# Altium PCB ToucanEyePCB.PcbDoc (part 2 of 5) (continued)
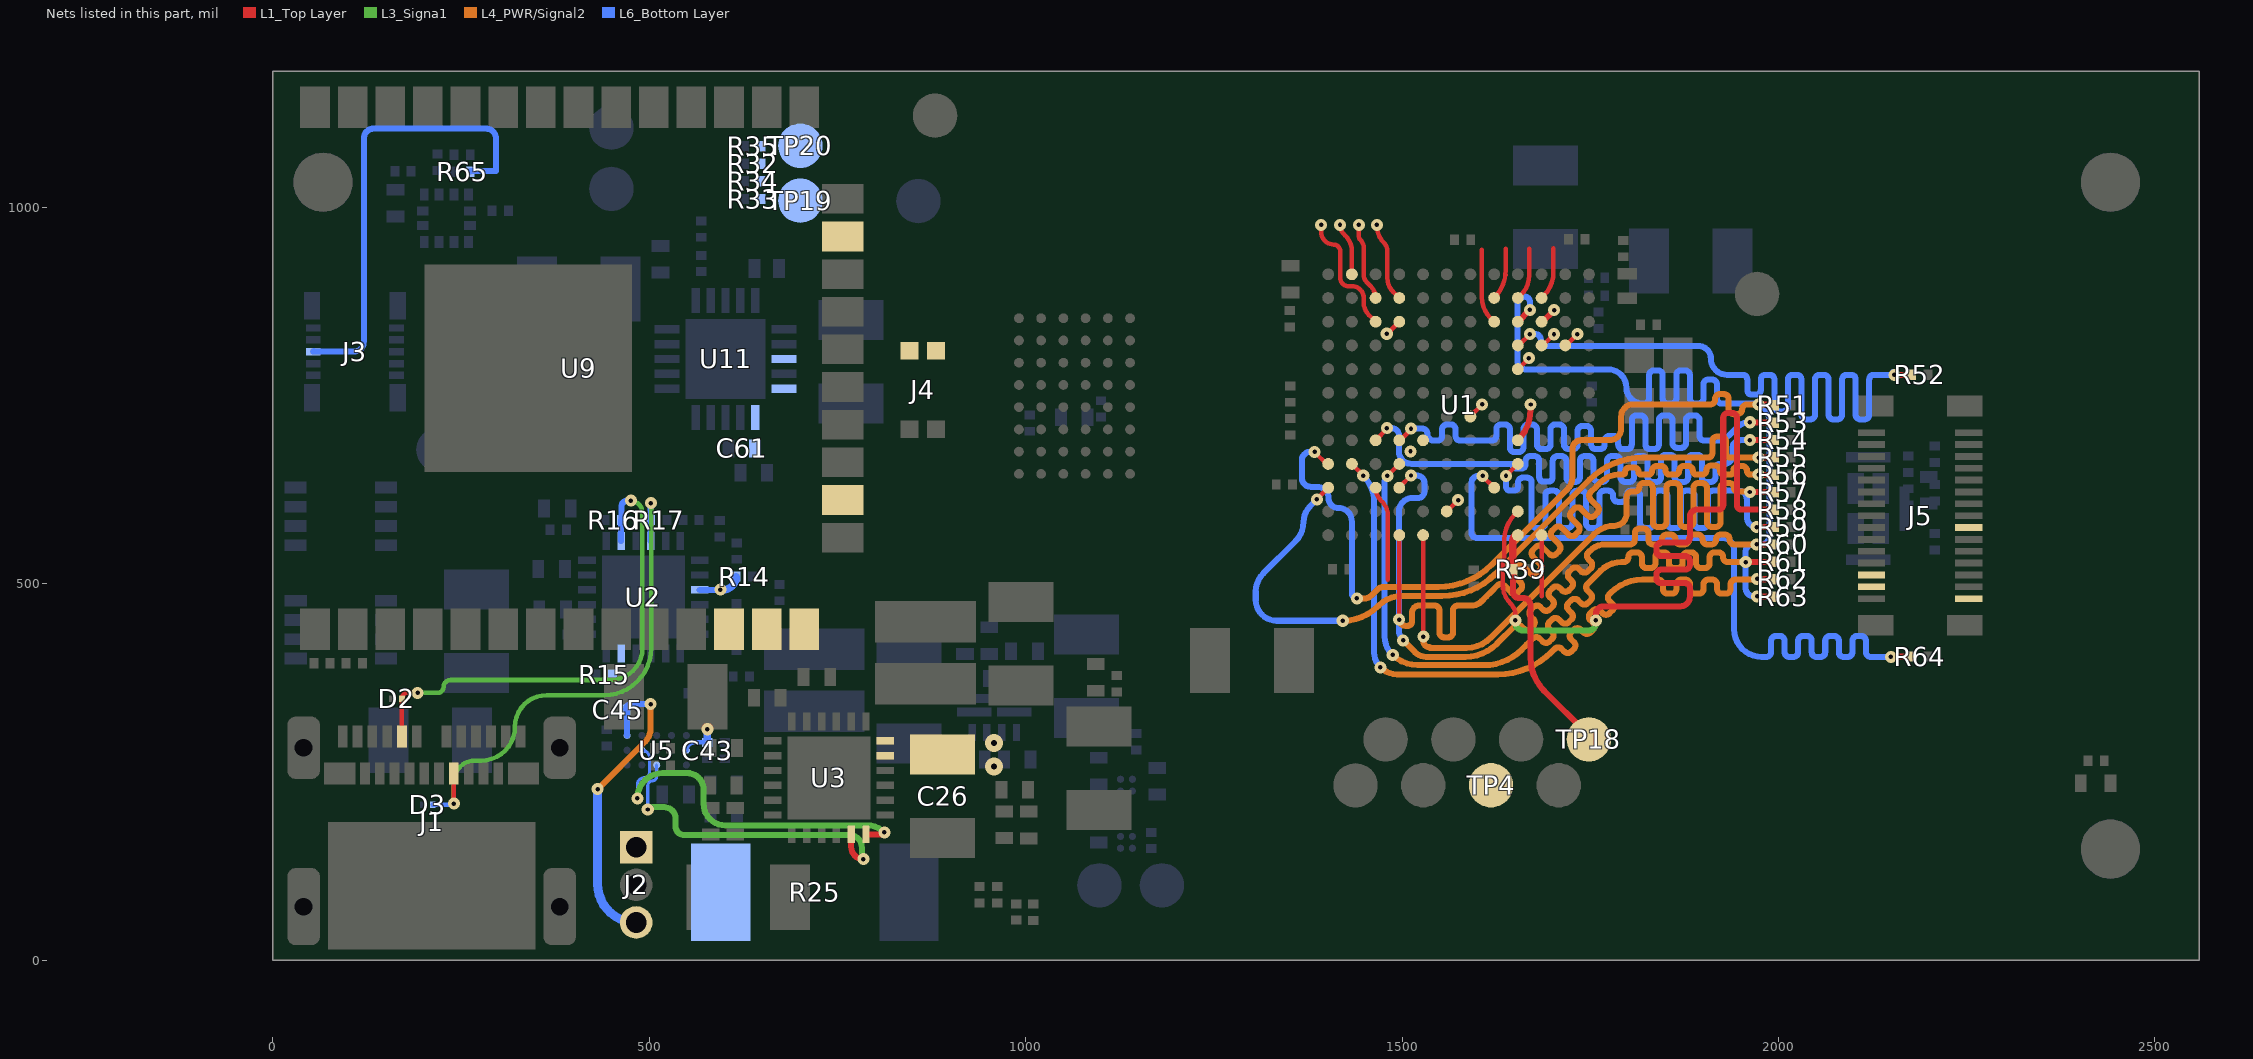
[diagram p6: the nets of this part, all layers, seen from the top]
## Part data (continued)
U11: "IC AMP AUDIO PWR 1.5W D 20QFN", Case/Package="VQFN EP", Dual Supply Voltage=5V, Manufacturer="Texas Instruments", Max Dual Supply Voltage=5.5V, Max Operating Temperature=85°C, Max Output Power=1.5W, Max Power Dissipation=2.5W, Min Operating Temperature=-40°C, Package Quantity=1, Power Supply Rejection Ratio (PSRR)=-91dB, Supplier Part Number 1=595-TPA2014D1RGPT, Voltage Gain=20dB, *PCBChecked=1, *SCHChecked=1, Common Mode Rejection Ratio=75dB, ComponentLink1Description=https://datasheet.ciiva.com/26117/slas559a-26117109.pdf, ComponentLink1URL=https://datasheet.ciiva.com/26117/slas559a-26117109.pdf, ComponentLink2Description=https://datasheet.ciiva.com/15131/getdatasheetpartid-48210-15131592.pdf, ComponentLink2URL=https://datasheet.ciiva.com/15131/getdatasheetpartid-48210-15131592.pdf, ComponentLink3Description=https://datasheet.ciiva.com/2969/tpa2014d1-2969824.pdf, ComponentLink3URL=https://datasheet.ciiva.com/2969/tpa2014d1-2969824.pdf, ComponentLink4Description=https://datasheet.ciiva.com/1789/tpa2014d1-1789239.pdf, ComponentLink4URL=https://datasheet.ciiva.com/1789/tpa2014d1-1789239.pdf, ComponentLink5Description=https://datasheet.ciiva.com/1789/tpa2014d1-1789237.pdf, ComponentLink5URL=https://datasheet.ciiva.com/1789/tpa2014d1-1789237.pdf, ComponentLink6Description=https://datasheet.ciiva.com/2967/tpa2014d1-2967858.pdf, ComponentLink6URL=https://datasheet.ciiva.com/2967/tpa2014d1-2967858.pdf, ComponentLink7Description=https://datasheet.ciiva.com/1789/tpa2014d1-1789238.pdf, ComponentLink7URL=https://datasheet.ciiva.com/1789/tpa2014d1-1789238.pdf, ComponentLink8Description=https://datasheet.ciiva.com/48706/001071077-da-01-en-ic-amp-audio-pw-tpa2014d1rgpt-qfn-20-tid-48706871.pdf, ComponentLink8URL=https://datasheet.ciiva.com/48706/001071077-da-01-en-ic-amp-audio-pw-tpa2014d1rgpt-qfn-20-tid-48706871.pdf, Gain=20dB, Lead Free="Lead Free", Manufacturer Part Number=TPA2014D1RGPT, Number of Pins=20, Output Power=1.5W, Packaging="Tape and Reel", Power Dissipation=2.5W, Pricing 1="1=2.27, 10=1.93, 50=1.93, 100=1.54, 1000=1.12, 10000=1.01 (USD)", Radiation Hardening=No, Stock 1=117, Supplier 1=Mouser, Supply Type=Dual, Weight=0.00163oz
U12: "LDO Voltage Regulators 200mA Lo IQ Lo-Noise LDO Reg", Dropout Voltage=250mV, Manufacturer="Texas Instruments", Max Input Voltage=6V, Max Operating Temperature=125°C, Max Power Dissipation=714mW, Min Current Limit=260mA, Min Input Voltage=2V, Min Operating Temperature=-40°C, Output Current=200mA, Output Voltage=1.5V, Package Quantity=250, Power Supply Rejection Ratio (PSRR)=80dB, Quiescent Current=30uA, Supplier Part Number 1=595-TLV70515YFPT, *PCBChecked=1, *SCHChecked=1, ComponentLink1Description=http://www.ti.com/lit/gpn/tlv705, ComponentLink1URL=http://www.ti.com/lit/gpn/tlv705, ComponentLink2Description=http://www.ti.com/lit/ds/symlink/tlv705.pdf, ComponentLink2URL=http://www.ti.com/lit/ds/symlink/tlv705.pdf, Lead Free="Lead Free", Manufacturer Part Number=TLV70515YFPT, Mount="Surface Mount", Number of Outputs=1, Number of Pins=4, Number of Regulators=1, Packaging="Tape and Reel", Pricing 1="1=0.62, 10=0.513, 50=0.513, 100=0.313, 1000=0.242, 10000=0.192 (USD)", Stock 1=250, Supplier 1=Mouser
U13: Manufacturer=STMicroelectronics, Supplier Part Number 1=511-LIS2DW12TR, *PCBChecked=1, *SCHChecked=1, Manufacturer Part Number=LIS2DW12TR, Stock 1=0, Supplier 1=Mouser
X1: "32.768kHz ±20ppm Crystal 9pF 90 kOhm -40°C ~ 85°C  Surface Mount 2-SMD", Case/Package=SMD/SMT, ESR (Equivalent Series Resistance)=90kR, Frequency=32.768kHz, Frequency Tolerance=20ppm, Load Capacitance=9pF, Manufacturer=Abracon, Max Operating Temperature=85°C, Min Operating Temperature=-40°C, Package Quantity=3000, Supplier Part Number 1=815-ABS05-32.768K9T, *PCBChecked=1, *SCHChecked=1, ComponentLink1Description=https://datasheet.ciiva.com/12387/abs05-25797-12387306.pdf, ComponentLink1URL=https://datasheet.ciiva.com/12387/abs05-25797-12387306.pdf, ComponentLink2Description=https://datasheet.ciiva.com/48668/abs05-48668569.pdf, ComponentLink2URL=https://datasheet.ciiva.com/48668/abs05-48668569.pdf, ComponentLink3Description=https://datasheet.ciiva.com/16411/abs05-16411147.pdf, ComponentLink3URL=https://datasheet.ciiva.com/16411/abs05-16411147.pdf, ComponentLink4Description=https://datasheet.ciiva.com/6728/abs05-6728951.pdf, ComponentLink4URL=https://datasheet.ciiva.com/6728/abs05-6728951.pdf, ComponentLink5Description=https://datasheet.ciiva.com/6728/abs05-6728952.pdf, ComponentLink5URL=https://datasheet.ciiva.com/6728/abs05-6728952.pdf, ComponentLink6Description=https://datasheet.ciiva.com/6728/abs05-6728953.pdf, ComponentLink6URL=https://datasheet.ciiva.com/6728/abs05-6728953.pdf, Depth=1mm, Height=0.02inch, Lead Free="Lead Free", Length=1.6mm, Manufacturer Part Number=ABS05-32.768KHZ-9-T, Mount="Surface Mount", Number of Pins=2, Packaging="Tape and Reel", Pricing 1="1=1.6, 10=1.54, 50=1.51, 100=1.29, 1000=1.01, 10000=0.885 (USD)", Radiation Hardening=No, REACH SVHC="No SVHC", Series Resistance=90kR, Stock 1=11805, Supplier 1=Mouser, Termination=SMD/SMT, Tolerance=20ppm, Width=0.039inch
X2: Freq=16MHz, Manufacturer="Kyocera AVX", Supplier Part Number 1=581-CX2520DB16F0FDFC, *PCBChecked=1, *SCHChecked=1, Manufacturer Part Number=CX2520DB16000F0FDFC1, Stock 1=0, Supplier 1=Mouser
FD1 FD2 FD3 FD4 FD5 FD6: PCBChecked=1, SCHChecked=1
J2 TP1 TP2 TP4 TP5 TP6 TP7 TP8 TP10 TP11 TP12 TP13 TP14 TP15 TP16 TP17 TP18 TP19 TP20 TP21: *PCBChecked=1, *SCHChecked=1
U1: *SCHChecked=1, Supplier=MASTERS, Symbol=STM32L4R9ZIJ6, Symbol supplier=STM32L4R9ZIJ6
U9: *PCBChecked=1, *SCHChecked=1, Name=WROOM-32

## Via types
v1: diameter 16, hole 5.91, L5_GND to L6_Bottom Layer, tented both sides, 98 vias
v2: diameter 16, hole 5.91, L1_Top Layer to L2_GND, tented both sides, 93 vias
v3: diameter 16, hole 5.91, L1_Top Layer to L6_Bottom Layer, tented both sides, 72 vias
v4: diameter 16, hole 5.91, L1_Top Layer to L3_Signa1, tented both sides, 60 vias
v5: diameter 16, hole 5.91, L1_Top Layer to L4_PWR/Signal2, tented both sides, 48 vias
v6: diameter 16, hole 5.91, L4_PWR/Signal2 to L6_Bottom Layer, tented both sides, 25 vias
v7: diameter 16, hole 5.91, L3_Signa1 to L6_Bottom Layer, tented both sides, 16 vias
v8: diameter 16, hole 5.91, L2_GND to L6_Bottom Layer, tented both sides, 16 vias
v9: diameter 23.86, hole 7.87, L4_PWR/Signal2 to L6_Bottom Layer, tented both sides, 13 vias
v10: diameter 11.81, hole 11.81, L1_Top Layer to L6_Bottom Layer, 9 vias
v11: diameter 23.86, hole 7.87, L3_Signa1 to L6_Bottom Layer, tented both sides, 7 vias
v12: diameter 23.86, hole 7.87, L1_Top Layer to L3_Signa1, tented both sides, 6 vias
v13: diameter 23.86, hole 7.87, L1_Top Layer to L4_PWR/Signal2, tented both sides, 6 vias
v14: diameter 19.68, hole 7.87, L1_Top Layer to L6_Bottom Layer, 5 vias
v15: diameter 23.86, hole 7.87, L1_Top Layer to L6_Bottom Layer, tented both sides, 4 vias
v16: diameter 16, hole 5.91, L1_Top Layer to L3_Signa1, tented top, 1 vias

## Nets (pads, with @x,y where several pads share a name; then routed paths per layer and width w, separated by ;. In a path a pad name is that pad's centre, name@x,y a point inside that pad or via, vN(x,y) a via of type N, cw(c..) or ccw(c..) an arc to the next point about the centre after c; other vN are vias at no path point)
A_B_SIDE_USB_C: R15.1 U1.F6 U2.17 | length 22.5
  L1_Top Layer w6: U1.F6@1590.89,722.25 cw(c1592.33,722.25) 1591.31,723.26 v3(1606.4,738.35)
ALERT_USB_C: R14.1 U1.E8 U2.9 | length 61.6
  L1_Top Layer w6: U1.E8@1527.9,690.75 ccw(c1527.9,694.37) U1.E8@1530.46,691.81
  L6_Bottom Layer w8: U2.9@567.1,492.14 594.6,492.14 v7(594.6,492.4)
  L6_Bottom Layer w10: v7@594.6,492.14 598.02,492.14 ccw(c598.02,509.7) R14.1@615.57,509.7
  other v3: 1511.3,675.9
AMP_GAIN: U1.J3 U11.3 | length 22.5
  L1_Top Layer w6: U1.J3@1685.38,816.73 ccw(c1685.38,820.85) 1688.28,817.93 v3(1701.9,831.55)
AMP_S\D\b\: U1.K5 U11.6 | length 100.9
  L1_Top Layer w6: 1606,944.05 1606,880.75 ccw(c1644.95,880.75) 1617.41,853.21 U1.K5@1622.39,848.23
AMP_S\D\d\: U1.L5 U11.5 | length 69.5
  L1_Top Layer w6: U1.L5@1622.39,879.73 ccw(c1584.94,917.17) 1637.9,917.17 1637.9,945.05
BAT+: C26.1 C43.2 J2.1 U3.11 U3.12 U5.E2 | length 51.7
  L6_Bottom Layer w6: U5.E2@549.37,278.67 U5.E2@549.37,279.02 cw(c559.71,279.02) 559.71,289.35 C43.2@577.3,289.35
  L6_Bottom Layer w10: C43.2@577.3,289.35 v6(577.3,306.9)
  other v13: 957.9,257.2 957.9,288.5
BAT-: C45.1 J2.3 R25.2 U5.A1 | length 436.6
  L4_PWR/Signal2 w8: v6(431.5,227.4) 431.6,227.4 494.8,290.6 ccw(c477.9,307.5) 501.8,307.5 v6(501.8,340.3)
  L6_Bottom Layer w8: J2.3@465.11,50.2 J2.3@482.7,50.2 ; U5.A1@470.63,298.7 470.63,331.4 C45.1@469.23,332.8 cw(c476.73,332.8) 476.73,340.3 v6(501.8,340.3)
  L6_Bottom Layer w12: v6(431.5,227.4) 431.5,101.4 ccw(c482.7,101.4) J2.3@482.7,50.2
BOOT0: R39.2 TP18.1 U1.A4 | length 319.9
  L1_Top Layer w8: R39.2@1647.17,519.55 1647.17,489.63 ccw(c1655.5,489.63) 1655.5,481.3 1661.1,481.3 cw(c1661.1,471.9) 1670.5,471.9 1670.5,402.55 ccw(c1734.35,402.55) 1689.2,357.4 1744.63,301.97 cw(c1736,293.34) TP18.1@1748.2,293.34
  L1_Top Layer w9.5: R39.2@1647.17,519.55 1647.17,558.05 cw(c1653.88,558.05) U1.A4@1653.88,564.77
BSCL: U3.6 U5.B2 | length 501.3
  L1_Top Layer w8: U3.6@788.02,167.38 806.57,167.38 ccw(c806.57,175.63) v4(812.4,169.8)
  L3_Signa1 w8: v7(484.3,215.1) cw(c517.9,215.1) 517.9,248.7 550.5,248.7 cw(c550.5,227) 572.2,227 572.2,208.1 ccw(c601.1,208.1) 601.1,179.2 789.71,179.2 cw(c789.71,147.11) v4(812.4,169.8)
  L6_Bottom Layer w4: v7(484.3,215.1) 484.3,233.3 cw(c493.6,233.3) 493.6,242.6 ccw(c493.6,249.28) 500.28,249.28 500.28,269.05 ccw(c490.32,269.05) U5.B2@490.32,279.02
BSDA: U3.5 U5.C3 | length 445.9
  L1_Top Layer w8: U3.5@768.33,167.38 768.33,150.47 ccw(c784.5,150.47) v4(784.5,134.3)
  L3_Signa1 w8: v7(498.1,200.3) cw(c501.1,200.3) 501.1,203.3 520.3,203.3 cw(c520.3,188.6) 535,188.6 535,178.2 ccw(c546.8,178.2) 546.8,166.4 766,166.4 cw(c766,149.9) 782.5,149.9 782.5,136.3 ccw(c784.5,136.3) v4(784.5,134.3)
  L6_Bottom Layer w4: v7(498.1,200.3) 498.1,232.1 cw(c504.4,232.1) 504.4,238.4 ccw(c504.4,244) 510,244 U5.C3@510,259.33
BT_CS: U1.A3 U9.23 | length 81.5
  L1_Top Layer w6: 1685.38,483.23 U1.A3@1685.38,564.77
BT_IRQ: U1.E4 U9.12 | length 52.2
  L1_Top Layer w8: U1.E4@1653.88,690.93 U1.E4@1653.88,690.75 ccw(c1613.05,731.59) 1670.8,731.59 v3(1670.8,738.25)
BT_MISO: U1.H4 U9.14 | length 20.8
  L1_Top Layer w6: U1.H4@1653.88,785.24 1653.99,785.24 v3(1668.6,799.85)
BT_MOSI: U1.J2 U9.16 | length 22.1
  L1_Top Layer w6: U1.J2@1716.88,816.73 ccw(c1716.88,819.17) 1718.59,817.44 v3(1732.9,831.75)
BT_SCK: U1.M11 U9.13 | length 70.1
  L1_Top Layer w6: v3(1417.6,976.75) ccw(c1434.5,976.75) 1422.54,964.8 1424.8,962.55 cw(c1404.02,941.76) 1433.41,941.76 U1.M11@1433.41,911.22
BT_UART_RX: R32.1 R35.1 TP20.1 U1.B7 | length 21.4
  L1_Top Layer w6: U1.B7@1559.4,596.26 1559.71,596.26 1574.4,610.95 v3(1574.4,611.25)
BT_UART_TX: R33.1 R34.1 TP19.1 U1.L3 | length 70.5
  L1_Top Layer w6: U1.L3@1685.38,879.73 1687.62,881.97 ccw(c1654.84,914.75) 1701.2,914.75 1701.2,945.65
BUTTON: J3.5 J4.1 R65.2 U1.K3 | length 638.4
  L1_Top Layer w6: U1.K3@1684.25,848.7 ccw(c1685.38,849.82) U1.K3@1685.38,848.23
  L1_Top Layer w8: U1.K3@1685.38,848.23 1686.63,848.23 v3(1702,863.6)
  L6_Bottom Layer w8: J3.5@54.59,809.2 ccw(c54.59,808.4) J3.5@53.78,808.4 107.7,808.4 ccw(c107.7,821.7) 121,821.7 121,1091.6 cw(c134.1,1091.6) 134.1,1104.7 283.3,1104.7 cw(c283.3,1091.6) 296.4,1091.6 296.4,1048.3 263.18,1048.3 ccw(c263.18,1047.45) R65.2@262.33,1047.45
CAM_D0: R51.1 U1.D12 | length 1013.1
  L1_Top Layer w6: v3(1383.8,675.45) 1383.8,675.25 1399.8,659.25 U1.D12@1401.92,659.25 ; R51.1@1994.02,738.3 cw(c1994.02,737.35) R51.1@1994.97,737.35
  L1_Top Layer w8: v5(1973.7,738.3) R51.1@1994.02,738.3
  L4_PWR/Signal2 w8: v6(1440,480.6) 1449.98,480.6 ccw(c1449.98,493.69) 1459.22,484.42 ; 1459.23,484.43 1467.54,492.74 cw(c1475.41,484.86) 1475.41,496 1548.28,496 ccw(c1548.28,596) 1618.99,525.29 1720.2,626.5 ccw(c1705.47,641.23) 1726.3,641.23 1726.3,679.2 cw(c1737.9,679.2) 1737.9,690.8 1775.7,690.8 ccw(c1775.7,706.2) 1791.1,706.2 1791.1,722.5 cw(c1806.9,722.5) 1806.9,738.3 1900.9,738.3 1909.6,738.3 ccw(c1909.6,744.6) 1915.9,744.6 1915.9,745.65 cw(c1922.2,745.65) 1922.2,751.95 1927.6,751.95 cw(c1927.6,745.65) 1933.9,745.65 1933.9,738.3 1933.9,732 ccw(c1940.2,732) 1940.2,725.7 1945.6,725.7 ccw(c1945.6,732) 1951.9,732 cw(c1958.2,732) 1958.2,738.3 1960.9,738.3 v5(1973.7,738.3)
  L6_Bottom Layer w8: v3(1383.8,675.45) 1378.25,675.45 ccw(c1378.25,664.1) 1366.9,664.1 1366.9,640.8 ccw(c1378.8,640.8) 1378.8,628.9 1387.5,628.9 cw(c1387.5,614.1) 1402.3,614.1 ccw(c1415.6,614.1) 1415.6,600.8 cw(c1415.6,583) 1433.4,583 1433.4,487.2 ccw(c1440,487.2) v6(1440,480.6)
CAM_D1: R53.1 U1.E9 | length 1011.4
  L1_Top Layer w6: U1.E9@1496.4,690.75 ccw(c1496.4,693.4) 1498.28,691.52 1512.1,705.35 1511.9,705.55 v3(1511.9,706.25)
  L1_Top Layer w8: v3@1962.6,714.7 1962.6,714.23 R53.1@1994.97,714.23
  L6_Bottom Layer w8: v3(1511.9,706.25) 1526.55,706.25 cw(c1526.55,699.1) 1533.7,699.1 ccw(c1542.6,699.1) 1542.6,690.2 1544.2,690.2 1546.9,690.2 ccw(c1546.9,696.5) 1553.2,696.5 1553.2,705.37 cw(c1559.5,705.37) 1559.5,711.67 1564.9,711.67 cw(c1564.9,705.37) 1571.2,705.37 1571.2,696.5 ccw(c1577.5,696.5) 1577.5,690.2 1589.2,690.2 1607.2,690.2 1618.9,690.2 ccw(c1618.9,696.5) 1625.2,696.5 1625.2,705.37 cw(c1631.5,705.37) 1631.5,711.67 1636.9,711.67 cw(c1636.9,705.37) 1643.2,705.37 1643.2,690.2 1643.2,681.38 ccw(c1649.5,681.38) 1649.5,675.08 1654.9,675.08 ccw(c1654.9,681.38) 1661.2,681.38 1661.2,690.2 1661.2,705.37 cw(c1667.5,705.37) 1667.5,711.67 1672.9,711.67 cw(c1672.9,705.37) 1679.2,705.37 1679.2,690.2 1679.2,685.23 ccw(c1685.5,685.23) 1685.5,678.93 1690.9,678.93 ccw(c1690.9,685.23) 1697.2,685.23 1697.2,690.2 1697.2,705.37 cw(c1703.5,705.37) 1703.5,711.67 1708.9,711.67 cw(c1708.9,705.37) 1715.2,705.37 1715.2,690.2 1715.2,685.23 ccw(c1721.5,685.23) 1721.5,678.93 1726.9,678.93 ccw(c1726.9,685.23) 1733.2,685.23 1733.2,690.2 1733.2,703.37 cw(c1739.5,703.37) 1739.5,709.67 1744.9,709.67 cw(c1744.9,703.37) 1751.2,703.37 1751.2,690.2 1751.2,685.23 ccw(c1757.5,685.23) 1757.5,678.93 1762.9,678.93 ccw(c1762.9,685.23) 1769.2,685.23 1769.2,690.2 cw(c1775.5,690.2) 1775.5,696.5 1780.9,696.5 cw(c1780.9,690.2) 1787.2,690.2 1787.2,685.23 ccw(c1793.5,685.23) 1793.5,678.93 1798.9,678.93 ccw(c1798.9,685.23) 1805.2,685.23 1805.2,690.2 1805.2,717.37 cw(c1811.5,717.37) 1811.5,723.67 1816.9,723.67 cw(c1816.9,717.37) 1823.2,717.37 1823.2,690.2 1823.2,685.23 ccw(c1829.5,685.23) 1829.5,678.93 1834.9,678.93 ccw(c1834.9,685.23) 1841.2,685.23 1841.2,690.2 1841.2,717.37 cw(c1847.5,717.37) 1847.5,723.67 1852.9,723.67 cw(c1852.9,717.37) 1859.2,717.37 1859.2,690.2 1859.2,687.04 ccw(c1865.5,687.04) 1865.5,680.74 1870.9,680.74 ccw(c1870.9,687.04) 1877.2,687.04 1877.2,690.2 1877.2,717.37 cw(c1883.5,717.37) 1883.5,723.67 1888.9,723.67 cw(c1888.9,717.37) 1895.2,717.37 1895.2,696.5 ccw(c1901.5,696.5) 1901.5,690.2 1903.9,690.2 1916.93,690.2 ccw(c1916.93,715.47) 1934.8,697.6 1944.76,707.56 cw(c1962,690.32) v3(1962,714.7)
CAM_D2: R54.1 U1.E10 | length 1011.3
  L1_Top Layer w6: U1.E10@1464.91,690.75 1480,705.84 v3(1480,706.75)
  L1_Top Layer w8: v3(1962,690.8) 1962,691.1 R54.1@1994.97,691.1
  L6_Bottom Layer w8: v3(1480,706.75) 1486.55,706.75 cw(c1486.55,697.3) 1496,697.3 1496,675.9 ccw(c1512.5,675.9) 1512.5,659.4 1621.3,659.4 1646.2,659.4 1646.2,659.31 ccw(c1652.5,659.31) 1652.5,653.01 1657.9,653.01 ccw(c1657.9,659.31) 1664.2,659.31 1664.2,659.4 1664.2,663.34 cw(c1670.5,663.34) 1670.5,669.64 1675.9,669.64 cw(c1675.9,663.34) 1682.2,663.34 1682.2,659.4 1682.2,641.99 ccw(c1688.5,641.99) 1688.5,635.69 1693.9,635.69 ccw(c1693.9,641.99) 1700.2,641.99 1700.2,659.4 1700.2,663.34 cw(c1706.5,663.34) 1706.5,669.64 1711.9,669.64 cw(c1711.9,663.34) 1718.2,663.34 1718.2,659.4 1718.2,641.65 ccw(c1724.5,641.65) 1724.5,635.35 1729.9,635.35 ccw(c1729.9,641.65) 1736.2,641.65 1736.2,659.4 1736.2,663.34 cw(c1742.5,663.34) 1742.5,669.64 1747.9,669.64 cw(c1747.9,663.34) 1754.2,663.34 1754.2,659.4 1754.2,641.65 ccw(c1760.5,641.65) 1760.5,635.35 1765.9,635.35 ccw(c1765.9,641.65) 1772.2,641.65 1772.2,659.4 1772.2,663.34 cw(c1778.5,663.34) 1778.5,669.64 1783.9,669.64 cw(c1783.9,663.34) 1790.2,663.34 1790.2,659.4 1790.2,641.65 ccw(c1796.5,641.65) 1796.5,635.35 1801.9,635.35 ccw(c1801.9,641.65) 1808.2,641.65 1808.2,659.4 1808.2,663.34 cw(c1814.5,663.34) 1814.5,669.64 1819.9,669.64 cw(c1819.9,663.34) 1826.2,663.34 1826.2,659.4 1826.2,641.65 ccw(c1832.5,641.65) 1832.5,635.35 1837.9,635.35 ccw(c1837.9,641.65) 1844.2,641.65 1844.2,659.4 1844.2,665.15 cw(c1850.5,665.15) 1850.5,671.45 1855.9,671.45 cw(c1855.9,665.15) 1862.2,665.15 1862.2,659.4 1862.2,641.65 ccw(c1868.5,641.65) 1868.5,635.35 1873.9,635.35 ccw(c1873.9,641.65) 1880.2,641.65 1880.2,659.4 1880.2,665.15 cw(c1886.5,665.15) 1886.5,671.45 1891.9,671.45 cw(c1891.9,665.15) 1898.2,665.15 1898.2,659.4 1898.2,641.65 ccw(c1904.5,641.65) 1904.5,635.35 1909.9,635.35 ccw(c1909.9,641.65) 1916.2,641.65 1916.2,653.1 cw(c1922.5,653.1) 1922.5,659.4 1925.2,659.4 1927.7,659.4 ccw(c1927.7,670.5) 1938.8,670.5 1938.8,679.9 cw(c1949.7,679.9) 1949.7,690.8 v3(1962,690.8)
CAM_D3: R55.1 U1.C12 | length 1017
  L1_Top Layer w6: v3(1387,612.15) v3@1386.31,612.15 ; U1.C12@1401.92,627.76 1386.65,612.5 v3@1386.31,612.15 ; v3@1386.31,612.15 1385.5,611.35 1384.7,612.15 v3@1386.31,612.15
  L1_Top Layer w8: v5@1974.7,667.98 R55.1@1994.97,667.98
  L4_PWR/Signal2 w6: v6(1421.3,451) v6@1421.5,451.2 ; v5(1973.7,667.6) v5@1975.4,667.6
  L4_PWR/Signal2 w8: v6(1421.3,451) ccw(c1421.3,517.39) 1468.25,470.45 1468.9,471.1 cw(c1499.56,440.44) 1499.56,483.8 1553.08,483.8 ccw(c1553.08,583.8) 1623.79,513.09 1749.01,638.31 cw(c1819.72,567.6) 1819.72,667.6 1902.8,667.6 1905.9,667.6 ccw(c1905.9,673.9) 1912.2,673.9 1912.2,689.25 cw(c1918.5,689.25) 1918.5,695.55 1923.9,695.55 cw(c1923.9,689.25) 1930.2,689.25 1930.2,673.9 ccw(c1936.5,673.9) 1936.5,667.6 1948.2,667.6 1957.2,667.6 v5(1973.7,667.6)
  L6_Bottom Layer w8: v3(1387,612.15) 1377.79,602.94 ccw(c1398.53,582.2) 1369.2,582.2 cw(c1333.47,582.2) 1358.73,556.93 1315.74,513.94 ccw(c1339.98,489.7) 1305.7,489.7 1305.7,478.7 ccw(c1333.4,478.7) 1333.4,451 v6(1421.3,451)
CAM_D4: R56.1 U1.A9 | length 1047.1
  L1_Top Layer w6: v5(1496.1,452.6) 1496.4,452.9 U1.A9@1496.4,564.77 ; v5@1974,644.86 v5@1974,645
  L1_Top Layer w8: v5@1974,644.86 R56.1@1994.97,644.86
  L4_PWR/Signal2 w8: v5(1496.1,452.6) ccw(c1504.4,452.6) 1504.4,444.3 1507.5,444.3 ccw(c1507.5,450.2) 1513.4,450.2 1513.4,461.9 cw(c1522.7,461.9) 1522.7,471.2 1531.7,471.2 1543.4,471.2 cw(c1543.4,464.9) 1549.7,464.9 1549.7,435.3 ccw(c1556,435.3) 1556,429 1561.4,429 ccw(c1561.4,435.3) 1567.7,435.3 1567.7,464.9 cw(c1574,464.9) 1574,471.2 1585.7,471.2 1588.4,471.2 1592.04,471.2 ccw(c1592.04,490.66) 1605.8,476.9 1605.8,477 1612.2,483.4 1618.56,489.76 1626.84,498.04 cw(c1631.29,493.58) 1635.75,498.04 1645.01,488.78 ccw(c1649.46,493.23) 1653.92,488.78 1657.74,492.59 ccw(c1653.28,497.05) 1657.74,501.5 1648.47,510.77 cw(c1652.93,515.22) 1648.47,519.67 1652.29,523.49 cw(c1656.75,519.04) 1661.2,523.49 1670.46,514.23 ccw(c1674.92,518.69) 1679.37,514.23 1683.19,518.05 ccw(c1678.74,522.5) 1683.19,526.96 1673.93,536.22 cw(c1678.39,540.68) 1673.93,545.13 1677.75,548.95 cw(c1682.2,544.49) 1686.66,548.95 1695.92,539.69 ccw(c1700.37,544.14) 1704.83,539.69 1708.65,543.51 ccw(c1704.19,547.96) 1708.65,552.41 1699.39,561.68 cw(c1703.84,566.13) 1699.39,570.59 1703.2,574.4 cw(c1707.66,569.95) 1712.11,574.4 1721.38,565.14 ccw(c1725.83,569.6) 1730.29,565.14 1734.1,568.96 ccw(c1729.65,573.42) 1734.1,577.87 1724.84,587.13 cw(c1729.3,591.59) 1724.84,596.04 1728.66,599.86 cw(c1733.12,595.41) 1737.57,599.86 1746.83,590.6 ccw(c1751.29,595.05) 1755.74,590.6 1759.56,594.42 ccw(c1755.1,598.87) 1759.56,603.33 1750.3,612.59 cw(c1754.75,617.04) 1750.3,621.5 1758.57,629.77 1760.95,632.15 1764.3,635.5 cw(c1787.24,612.56) 1787.24,645 1792.74,645 ccw(c1792.74,648.5) 1796.23,648.5 cw(c1802.53,648.5) 1802.53,654.8 1807.93,654.8 cw(c1807.93,648.5) 1814.24,648.5 ccw(c1817.73,648.5) 1817.73,645 1826.93,645 ccw(c1826.93,650.3) 1832.24,650.3 cw(c1838.53,650.3) 1838.53,656.6 1843.93,656.6 cw(c1843.93,650.3) 1850.24,650.3 ccw(c1855.54,650.3) 1855.54,645 1862.93,645 ccw(c1862.93,650.3) 1868.24,650.3 cw(c1874.53,650.3) 1874.53,656.6 1879.93,656.6 cw(c1879.93,650.3) 1886.24,650.3 ccw(c1891.54,650.3) 1891.54,645 1898.47,645 ccw(c1898.47,650.76) 1904.23,650.76 cw(c1910.53,650.76) 1910.53,657.06 1915.93,657.06 cw(c1915.93,650.76) 1922.24,650.76 ccw(c1928,650.76) 1928,645 1934.93,645 ccw(c1934.93,650.3) 1940.24,650.3 cw(c1946.53,650.3) 1946.53,656.6 1951.93,656.6 cw(c1951.93,650.3) 1958.24,650.3 ccw(c1963.54,650.3) 1963.54,645 1965.4,645 v5(1973.7,645)
CAM_D5: R57.1 U1.A8 | length 1040.5
  L1_Top Layer w6: v5@1527.8,429.8 1527.9,429.8 U1.A8@1527.9,564.77 ; v5@1962,621.74 v5(1962,622)
  L1_Top Layer w8: v5@1962,621.74 R57.1@1994.97,621.74
  L4_PWR/Signal2 w8: v5(1528.3,429.8) 1528.3,424.1 ccw(c1536.5,424.1) 1536.5,415.9 ; 1537.1,415 1585.96,415 ccw(c1585.96,459.04) 1617.1,427.9 1755.13,565.93 cw(c1782.1,538.96) 1782.1,577.1 ccw(c1782.1,593.2) 1798.2,593.2 1798.2,614.9 cw(c1806.1,614.9) 1806.1,622.8 1810.2,622.8 ccw(c1810.2,627.7) 1815.1,627.7 cw(c1821.4,627.7) 1821.4,634 1826.8,634 cw(c1826.8,627.7) 1833.1,627.7 1833.1,622.8 1833.1,581.96 ccw(c1839.4,581.96) 1839.4,575.66 1844.8,575.66 ccw(c1844.8,581.96) 1851.1,581.96 1851.1,622.8 1851.1,627.45 cw(c1857.4,627.45) 1857.4,633.75 1862.8,633.75 cw(c1862.8,627.45) 1869.1,627.45 1869.1,622.8 1869.1,581.96 ccw(c1875.4,581.96) 1875.4,575.66 1880.8,575.66 ccw(c1880.8,581.96) 1887.1,581.96 1887.1,622.8 1887.1,627.45 cw(c1893.4,627.45) 1893.4,633.75 1898.8,633.75 cw(c1898.8,627.45) 1905.1,627.45 1905.1,622.8 1905.1,581.96 ccw(c1911.4,581.96) 1911.4,575.66 1916.8,575.66 ccw(c1916.8,581.96) 1923.1,581.96 1923.1,622.8 1923.1,627.45 cw(c1929.4,627.45) 1929.4,633.75 1934.8,633.75 cw(c1934.8,627.45) 1941.1,627.45 1941.1,627 ccw(c1945.3,627) 1945.3,622.8 1961.2,622.8 cw(c1961.2,622) v5(1962,622)
CAM_D6: R58.1 U1.B4 | length 1052.6
  L1_Top Layer w6: v4(1650.6,451.5) 1650.6,458.41 ccw(c1628.41,458.41) 1644.1,474.1 cw(c1669.21,499.21) 1633.7,499.21 1633.7,528.36 cw(c1638.14,528.36) 1635,531.5 ccw(c1632.39,534.11) 1636.08,534.11 1636.08,558.84 cw(c1683.45,558.84) 1649.96,592.33 U1.B4@1653.88,596.26
  L1_Top Layer w8: v4(1757.5,451.5) 1757.5,459.8 cw(c1767.9,459.8) 1767.9,470.2 1869.9,470.2 ccw(c1869.9,482.6) 1882.3,482.6 1882.3,490 1882.3,494.6 ccw(c1876,494.6) 1876,500.9 1844.3,500.9 cw(c1844.3,507.2) 1838,507.2 1838,512.6 cw(c1844.3,512.6) 1844.3,518.9 1876,518.9 ccw(c1876,525.2) 1882.3,525.2 1882.3,530.6 ccw(c1876,530.6) 1876,536.9 1844.3,536.9 cw(c1844.3,543.2) 1838,543.2 1838,548.6 cw(c1844.3,548.6) 1844.3,554.9 1876,554.9 ccw(c1876,561.2) 1882.3,561.2 1882.3,572.9 1882.3,581.9 1882.3,589 cw(c1891.91,589) 1891.91,598.61 1917.7,598.61 1920.4,598.61 ccw(c1920.4,604.91) 1926.7,604.91 1926.7,720.68 cw(c1933,720.68) 1933,726.98 1938.4,726.98 cw(c1938.4,720.68) 1944.7,720.68 1944.7,604.91 ccw(c1951,604.91) 1951,598.61 1962.7,598.61 1964.7,598.61 R58.1@1994.97,598.61
  L3_Signa1 w8: v4(1650.6,451.5) 1650.6,448.2 ccw(c1660.6,448.2) 1660.6,438.2 1748.1,438.2 ccw(c1748.1,447.6) 1757.5,447.6 v4(1757.5,451.5)
CAM_D7: R59.1 U1.D4 | length 1014.1
  L1_Top Layer w6: v3(1638.1,643.47) U1.D4@1653.88,659.25 U1.D4@1656.06,661.42
  L1_Top Layer w8: v3(1971.2,575.49) R59.1@1994.97,575.49
  L6_Bottom Layer w8: v3(1638.1,643.47) 1638.1,629.5 ccw(c1643.9,629.5) 1643.9,623.7 1645.3,623.7 1648,623.7 ccw(c1648,630) 1654.3,630 1654.3,634.73 cw(c1660.6,634.73) 1660.6,641.03 1666,641.03 cw(c1666,634.73) 1672.3,634.73 1672.3,623.7 1672.3,580.5 ccw(c1678.6,580.5) 1678.6,574.2 1684,574.2 ccw(c1684,580.5) 1690.3,580.5 1690.3,617.4 cw(c1696.6,617.4) 1696.6,623.7 1702,623.7 cw(c1702,617.4) 1708.3,617.4 1708.3,580.5 ccw(c1714.6,580.5) 1714.6,574.2 1720,574.2 ccw(c1720,580.5) 1726.3,580.5 1726.3,617.4 cw(c1732.6,617.4) 1732.6,623.7 1738,623.7 cw(c1738,617.4) 1744.3,617.4 1744.3,580.5 ccw(c1750.6,580.5) 1750.6,574.2 1756,574.2 ccw(c1756,580.5) 1762.3,580.5 1762.3,617.4 cw(c1768.6,617.4) 1768.6,623.7 1774,623.7 cw(c1774,617.4) 1780.3,617.4 1780.3,615.35 ccw(c1786.6,615.35) 1786.6,609.05 1792,609.05 ccw(c1792,615.35) 1798.3,615.35 1798.3,617.4 cw(c1804.6,617.4) 1804.6,623.7 1810,623.7 cw(c1810,617.4) 1816.3,617.4 1816.3,580.5 ccw(c1822.6,580.5) 1822.6,574.2 1828,574.2 ccw(c1828,580.5) 1834.3,580.5 1834.3,617.4 cw(c1840.6,617.4) 1840.6,623.7 1846,623.7 cw(c1846,617.4) 1852.3,617.4 1852.3,580.5 ccw(c1858.6,580.5) 1858.6,574.2 1864,574.2 ccw(c1864,580.5) 1870.3,580.5 1870.3,617.4 cw(c1876.6,617.4) 1876.6,623.7 1882,623.7 cw(c1882,617.4) 1888.3,617.4 1888.3,580.5 ccw(c1894.6,580.5) 1894.6,574.2 1900,574.2 ccw(c1900,580.5) 1906.3,580.5 1906.3,617.4 cw(c1912.6,617.4) 1912.6,623.7 1924.3,623.7 1936.8,623.7 1946.9,623.7 cw(c1946.9,612.6) 1958,612.6 1958,588.69 ccw(c1971.2,588.69) v3(1971.2,575.49)
CAM_D8: R60.1 U1.C9 | length 1010.6
  L1_Top Layer w6: U1.C9@1496.4,627.76 cw(c1498.33,627.76) 1496.96,629.11 1497.07,629.12 v3(1511.9,643.95)
  L1_Top Layer w8: v5(1971.1,552.37) R60.1@1994.97,552.37
  L4_PWR/Signal2 w8: v6(1501.5,425) 1517.42,409.08 ccw(c1532.1,423.76) 1532.1,403 1583.99,403 ccw(c1583.99,462.41) 1626,420.4 1649.44,443.84 cw(c1653.89,439.38) 1658.35,443.84 1661.73,440.46 ccw(c1666.18,444.91) 1670.63,440.46 1674.45,444.28 ccw(c1670,448.73) 1674.45,453.19 1671.07,456.57 cw(c1675.53,461.02) 1671.07,465.47 1674.89,469.29 cw(c1679.35,464.84) 1683.8,469.29 1687.18,465.92 ccw(c1691.64,470.37) 1696.09,465.92 1699.91,469.73 ccw(c1695.45,474.19) 1699.91,478.64 1696.53,482.02 cw(c1700.99,486.48) 1696.53,490.93 1700.35,494.75 cw(c1704.8,490.29) 1709.26,494.75 1712.64,491.37 ccw(c1717.09,495.83) 1721.55,491.37 1725.36,495.19 ccw(c1720.91,499.64) 1725.36,504.1 1721.99,507.48 cw(c1726.44,511.93) 1721.99,516.39 1725.8,520.2 cw(c1730.26,515.75) 1734.71,520.2 1738.09,516.83 ccw(c1742.55,521.28) 1747,516.83 1750.82,520.64 ccw(c1746.37,525.1) 1750.82,529.55 1747.44,532.93 cw(c1751.9,537.39) 1747.44,541.84 1749.35,543.75 cw(c1770.15,522.95) 1770.15,552.37 1774.3,552.37 1791.2,552.37 1802.9,552.37 ccw(c1802.9,558.67) 1809.2,558.67 1809.2,567.06 cw(c1815.5,567.06) 1815.5,573.36 1820.9,573.36 cw(c1820.9,567.06) 1827.2,567.06 1827.2,558.67 ccw(c1833.5,558.67) 1833.5,552.37 1838.9,552.37 ccw(c1838.9,558.67) 1845.2,558.67 1845.2,559.08 cw(c1851.5,559.08) 1851.5,565.38 1856.9,565.38 cw(c1856.9,559.08) 1863.2,559.08 1863.2,558.67 ccw(c1869.5,558.67) 1869.5,552.37 1874.9,552.37 ccw(c1874.9,558.67) 1881.2,558.67 1881.2,559.08 cw(c1887.5,559.08) 1887.5,565.38 1892.9,565.38 cw(c1892.9,559.08) 1899.2,559.08 1899.2,558.67 ccw(c1905.5,558.67) 1905.5,552.37 1910.9,552.37 ccw(c1910.9,558.67) 1917.2,558.67 1917.2,559.08 cw(c1923.5,559.08) 1923.5,565.38 1928.9,565.38 cw(c1928.9,559.08) 1935.2,559.08 1935.2,558.67 ccw(c1941.5,558.67) 1941.5,552.37 1953.2,552.37 1962.2,552.37 v5(1971.1,552.37)
  L6_Bottom Layer w8: v6@1501.2,425.6 cw(c1514,438.4) 1495.9,438.4 1495.9,596 cw(c1513.9,596) 1513.9,614 1521,614 ccw(c1521,622.7) 1529.7,622.7 1529.7,634.1 ccw(c1519.85,634.1) 1519.85,643.95 v3(1511.9,643.95)
CAM_D9: R61.1 U1.D9 | length 1022.3
  L1_Top Layer w6: v3(1480.6,643.5) 1480.65,643.5 U1.D9@1496.4,659.25
  L1_Top Layer w8: v5(1956.6,528.9) 1956.95,529.25 R61.1@1994.97,529.25
  L4_PWR/Signal2 w8: v6(1487.7,405.7) ccw(c1520.77,438.77) 1520.77,392 1609.1,392 ccw(c1609.1,462.98) 1659.29,412.79 1665.65,419.15 1673.93,427.43 cw(c1678.38,422.97) 1682.84,427.43 1686.84,423.43 ccw(c1691.29,427.88) 1695.75,423.43 1699.56,427.24 ccw(c1695.11,431.7) 1699.56,436.15 1695.56,440.15 cw(c1700.02,444.61) 1695.56,449.06 1699.38,452.88 cw(c1703.84,448.43) 1708.29,452.88 1712.29,448.88 ccw(c1716.75,453.34) 1721.2,448.88 1725.02,452.7 ccw(c1720.57,457.15) 1725.02,461.61 1721.02,465.61 cw(c1725.47,470.06) 1721.02,474.52 1724.84,478.34 cw(c1729.29,473.88) 1733.75,478.34 1737.75,474.34 ccw(c1742.2,478.79) 1746.66,474.34 1750.48,478.16 ccw(c1746.02,482.61) 1750.48,487.06 1746.48,491.07 cw(c1750.93,495.52) 1746.48,499.98 1763.94,517.44 ; 1755.7,509.2 1763.94,517.44 ; v5(1956.6,528.9) 1942.9,528.9 1932.9,528.9 cw(c1932.9,535.2) 1926.6,535.2 1926.6,535.41 ccw(c1920.3,535.41) 1920.3,541.71 1914.9,541.71 ccw(c1914.9,535.41) 1908.6,535.41 1908.6,528.9 1908.6,527.3 cw(c1902.3,527.3) 1902.3,521 1896.9,521 cw(c1896.9,527.3) 1890.6,527.3 1890.6,528.9 1890.6,535.41 ccw(c1884.3,535.41) 1884.3,541.71 1878.9,541.71 ccw(c1878.9,535.41) 1872.6,535.41 1872.6,528.9 1872.6,527.3 cw(c1866.3,527.3) 1866.3,521 1860.9,521 cw(c1860.9,527.3) 1854.6,527.3 1854.6,528.9 1854.6,535.41 ccw(c1848.3,535.41) 1848.3,541.71 1842.9,541.71 ccw(c1842.9,535.41) 1836.6,535.41 1836.6,528.9 1836.6,527.3 cw(c1830.3,527.3) 1830.3,521 1824.9,521 cw(c1824.9,527.3) 1818.6,527.3 1818.6,528.9 1818.6,535.41 ccw(c1812.3,535.41) 1812.3,541.71 1806.9,541.71 ccw(c1806.9,535.41) 1800.6,535.41 1800.6,535.2 cw(c1794.3,535.2) 1794.3,528.9 1791.6,528.9 ccw(c1791.6,489.79) 1763.94,517.44
  L6_Bottom Layer w8: v3(1480.6,643.5) ccw(c1489.77,634.33) 1476.8,634.33 1476.8,430.33 ccw(c1511.62,430.33) v6@1487,405.7
CAM_HSYNC: R63.1 U1.K4 | length 1007.6
  L1_Top Layer w8: U1.K4@1653.88,848.23 1654.13,848.23 v3(1669.9,864) ; v3(1971.8,483.5) 1971.8,483 R63.1@1994.97,483
  L6_Bottom Layer w8: v3(1669.9,864) 1669.9,874.4 ccw(c1662.8,874.4) 1662.8,881.5 ccw(c1662.8,872.1) 1653.4,872.1 1653.4,796.3 ccw(c1664.9,796.3) 1664.9,784.8 1774.1,784.8 cw(c1774.1,760.9) 1798,760.9 ccw(c1819.3,760.9) 1819.3,739.6 1822,739.6 ccw(c1822,745.9) 1828.3,745.9 1828.3,777.13 cw(c1834.6,777.13) 1834.6,783.43 1840,783.43 cw(c1840,777.13) 1846.3,777.13 1846.3,745.9 ccw(c1852.6,745.9) 1852.6,739.6 1858,739.6 ccw(c1858,745.9) 1864.3,745.9 1864.3,777.13 cw(c1870.6,777.13) 1870.6,783.43 1876,783.43 cw(c1876,777.13) 1882.3,777.13 1882.3,745.9 ccw(c1888.6,745.9) 1888.6,739.6 1894,739.6 ccw(c1894,745.9) 1900.3,745.9 1900.3,765.08 cw(c1906.6,765.08) 1906.6,771.38 1912,771.38 cw(c1912,765.08) 1918.3,765.08 1918.3,745.9 ccw(c1924.6,745.9) 1924.6,739.6 1936.3,739.6 1954.3,739.6 1956.1,739.6 1964.4,739.6 cw(c1964.4,715.7) 1988.3,715.7 1988.3,564.6 cw(c1975.6,564.6) 1975.6,551.9 1965.7,551.9 ccw(c1965.7,542.4) 1956.2,542.4 1956.2,495.3 ccw(c1968.3,495.3) v3@1968.3,483.2
CAM_PIXCLK: R52.2 U1.J4 | length 1014.6
  L1_Top Layer w6: U1.J4@1653.88,816.73 ccw(c1653.88,819.15) 1655.59,817.44 v3(1669.9,831.75)
  L1_Top Layer w8: v3(2154,777.7) R52.2@2176.77,777.7
  L6_Bottom Layer w8: v3(1669.9,831.75) 1677.05,831.75 cw(c1677.05,824.5) 1684.3,824.5 ccw(c1692.7,824.5) 1692.7,816.1 1893.2,816.1 cw(c1893.2,799) 1910.3,799 ccw(c1931.6,799) 1931.6,777.7 1940.6,777.7 1952.3,777.7 cw(c1952.3,771.4) 1958.6,771.4 1958.6,757.61 ccw(c1964.9,757.61) 1964.9,751.31 1970.3,751.31 ccw(c1970.3,757.61) 1976.6,757.61 1976.6,771.4 cw(c1982.9,771.4) 1982.9,777.7 1988.3,777.7 cw(c1988.3,771.4) 1994.6,771.4 1994.6,735.52 ccw(c2000.9,735.52) 2000.9,729.22 2006.3,729.22 ccw(c2006.3,735.52) 2012.6,735.52 2012.6,771.4 cw(c2018.9,771.4) 2018.9,777.7 2024.3,777.7 cw(c2024.3,771.4) 2030.6,771.4 2030.6,724.71 ccw(c2036.9,724.71) 2036.9,718.41 2042.3,718.41 ccw(c2042.3,724.71) 2048.6,724.71 2048.6,771.4 cw(c2054.9,771.4) 2054.9,777.7 2060.3,777.7 cw(c2060.3,771.4) 2066.6,771.4 2066.6,724.71 ccw(c2072.9,724.71) 2072.9,718.41 2078.3,718.41 ccw(c2078.3,724.71) 2084.6,724.71 2084.6,771.4 cw(c2090.9,771.4) 2090.9,777.7 2096.3,777.7 cw(c2096.3,771.4) 2102.6,771.4 2102.6,724.71 ccw(c2108.9,724.71) 2108.9,718.41 2114.3,718.41 ccw(c2114.3,724.71) 2120.6,724.71 2120.6,771.4 cw(c2126.9,771.4) 2126.9,777.7 2128.9,777.7 v3(2154,777.7) ; v3@2152.3,781.1 2154,779.4 v3@2154,778.4
CAM_PWDN: J5.18 U1.K10 | length 161.3
  L1_Top Layer w6: v3@1392.6,969.75 1392.6,967.34 ccw(c1409.29,967.34) 1409.29,950.65 cw(c1409.29,942.15) 1417.79,942.15 1417.79,906.45 ccw(c1428.89,906.45) 1428.89,895.35 1433.68,895.35 cw(c1433.68,880) 1449.04,880 1449.04,874.05 ccw(c1473.05,874.05) 1456.07,857.07 U1.K10@1464.91,848.23
  other v3: 1392.6,976.75
CAM_RESET: J5.30 U1.L10 | length 103.8
  L1_Top Layer w6: v3(1442.6,976.75) 1442.6,962.2 ccw(c1450.45,962.2) 1444.9,956.65 cw(c1434.92,946.66) 1449.04,946.66 1449.04,910.75 ccw(c1463.39,910.75) 1453.24,900.6 1458.4,895.44 cw(c1442.68,879.73) U1.L10@1464.91,879.73
CAM_SIO_C: J5.25 U1.L9 | length 106.2
  L1_Top Layer w6: v3(1466.6,976.75) 1466.6,975.55 ccw(c1498.23,975.55) 1475.86,953.18 cw(c1464.6,941.92) 1480.53,941.92 1480.53,906.15 ccw(c1506.01,906.15) 1487.99,888.14 U1.L9@1496.4,879.73
CAM_SIO_D: J5.27 U1.K9 | length 23.3
  L1_Top Layer w6: v3(1479.7,832.25) 1480.42,832.25 U1.K9@1496.4,848.23
CAM_VSYNC: R64.2 U1.C5 | length 1012.3
  L1_Top Layer w6: v3(1607,643.45) 1607,643.15 U1.C5@1622.39,627.76
  L1_Top Layer w8: v3@2148,403.3 2148,403.5 R64.2@2176.77,403.5
  L6_Bottom Layer w8: v3(1607,643.45) 1601.55,643.45 ccw(c1601.55,634.1) 1592.2,634.1 1592.2,568.5 ccw(c1599.6,568.5) 1599.6,561.1 1924.9,561.1 cw(c1924.9,544.8) 1941.2,544.8 1941.2,439.4 ccw(c1977.6,439.4) 1977.6,403 1983.1,403 1983.9,403 ccw(c1983.9,409.3) 1990.2,409.3 1990.2,424.43 cw(c1996.5,424.43) 1996.5,430.73 2001.9,430.73 cw(c2001.9,424.43) 2008.2,424.43 2008.2,409.3 ccw(c2014.5,409.3) 2014.5,403 2019.9,403 ccw(c2019.9,409.3) 2026.2,409.3 2026.2,424.43 cw(c2032.5,424.43) 2032.5,430.73 2037.9,430.73 cw(c2037.9,424.43) 2044.2,424.43 2044.2,409.3 ccw(c2050.5,409.3) 2050.5,403 2055.9,403 ccw(c2055.9,409.3) 2062.2,409.3 2062.2,424.43 cw(c2068.5,424.43) 2068.5,430.73 2073.9,430.73 cw(c2073.9,424.43) 2080.2,424.43 2080.2,409.3 ccw(c2086.5,409.3) 2086.5,403 2091.9,403 ccw(c2091.9,409.3) 2098.2,409.3 2098.2,424.43 cw(c2104.5,424.43) 2104.5,430.73 2109.9,430.73 cw(c2109.9,424.43) 2116.2,424.43 2116.2,409.3 ccw(c2122.5,409.3) 2122.5,403 2134.2,403 2143.2,403 v3(2149.4,403)
CAM_XVCLK: R62.1 U1.D11 | length 1015.1
  L1_Top Layer w6: U1.D11@1430.95,656.79 U1.D11@1433.41,659.25 1449.02,643.65 v3(1448.5,643.65)
  L1_Top Layer w8: v5(1971.8,506.5) 1972.18,506.12 R62.1@1994.97,506.12
  L4_PWR/Signal2 w8: v6(1471.2,389) ccw(c1493.17,410.97) 1493.17,379.9 1627.58,379.9 ccw(c1627.58,479.9) 1698.29,409.19 1701.35,412.25 1702.88,413.78 cw(c1707.33,409.32) 1711.79,413.78 1715.7,409.86 ccw(c1720.15,414.32) 1724.61,409.86 1728.43,413.68 ccw(c1723.97,418.14) 1728.43,422.59 1724.51,426.5 cw(c1728.97,430.96) 1724.51,435.41 1728.33,439.23 cw(c1732.79,434.78) 1737.24,439.23 1741.15,435.32 ccw(c1745.61,439.77) 1750.06,435.32 1753.88,439.14 ccw(c1749.43,443.59) 1753.88,448.05 1749.97,451.96 cw(c1754.42,456.41) 1749.97,460.87 1753.79,464.69 cw(c1758.24,460.23) 1762.7,464.69 1766.61,460.78 ccw(c1771.06,465.23) 1775.52,460.78 1779.34,464.59 ccw(c1774.88,469.05) 1779.34,473.5 1775.43,477.42 cw(c1779.88,481.87) 1775.43,486.33 1777.33,488.23 cw(c1819.5,446.07) 1819.5,505.7 1828.5,505.7 1840.2,505.7 cw(c1840.2,499.4) 1846.5,499.4 1846.5,493.23 ccw(c1852.8,493.23) 1852.8,486.93 1858.2,486.93 ccw(c1858.2,493.23) 1864.5,493.23 1864.5,499.4 cw(c1870.8,499.4) 1870.8,505.7 1876.2,505.7 cw(c1876.2,499.4) 1882.5,499.4 1882.5,493.23 ccw(c1888.8,493.23) 1888.8,486.93 1894.2,486.93 ccw(c1894.2,493.23) 1900.5,493.23 1900.5,499.4 cw(c1906.8,499.4) 1906.8,505.7 1912.2,505.7 cw(c1912.2,499.4) 1918.5,499.4 1918.5,493.23 ccw(c1924.8,493.23) 1924.8,486.93 1930.2,486.93 ccw(c1930.2,493.23) 1936.5,493.23 1936.5,499.4 cw(c1942.8,499.4) 1942.8,505.7 1952.4,505.7 1969.87,505.7 ccw(c1969.87,508.43) v5(1971.8,506.5)
  L6_Bottom Layer w8: v3(1448.5,643.65) cw(c1413.49,608.64) 1463,608.64 1463,408.8 ccw(c1491,408.8) v6(1471.2,389)
CC1_USB: D2.2 J1.A5 R16.1 U2.2 | length 677.2
  L1_Top Layer w6: J1.A5@171.63,297.42 171.63,347.28 171.41,347.5 cw(c179.21,347.5) 179.21,355.3 v4(192.4,355.3)
  L3_Signa1 w6: v4(192.4,355.3) 219.3,355.3 ccw(c219.3,362.8) 226.8,362.8 cw(c236.3,362.8) 236.3,372.3 448.7,372.3 ccw(c448.7,414.7) 491.1,414.7 491.1,594.2 ccw(c474.8,594.2) 474.8,610.5 v7(475.6,610.5)
  L6_Bottom Layer w6: R16.1@462.77,584.8 R16.1@463.23,584.8 R16.1@463.4,584.8 ; v7@470.7,610.5 v7(475.6,610.5)
  L6_Bottom Layer w8: U2.2@462.77,557.1 R16.1@462.77,584.8 ; R16.1@463.4,584.8 463.4,603.2 cw(c470.7,603.2) v7@470.7,610.5
CC2_USB: D3.2 J1.B5 R17.1 U2.4 | length 704.8
  L1_Top Layer w6: v3(240.53,208.13) J1.B5@240.53,248.21
  L3_Signa1 w6: v3(240.53,208.13) 240.53,237.43 cw(c268.4,237.43) 268.4,265.3 276.9,265.3 ccw(c276.9,310.1) 321.7,310.1 cw(c363.8,310.1) 363.8,352.2 440.2,352.2 ccw(c440.2,414.6) 502.6,414.6 v7@502.6,607.4
  L6_Bottom Layer w6: D3.2@212.35,206.5 238.9,206.5 v3(240.53,208.13) ; U2.4@501.97,557.1 U2.4@502.14,557.1 ; v7@501.97,607.2 v7(502.3,607.2)
  L6_Bottom Layer w8: U2.4@501.97,557.1 R17.1@501.97,584.8 v7@501.97,607.2
DAC_CPU: C61.1 U1.L4 | length 69.9
  L1_Top Layer w6: U1.L4@1653.88,879.73 1658.53,884.37 ccw(c1633.25,909.65) 1669,909.65 1669,944.95
DBG_UART_RX: TP4.1 U1.C10 | length 126.9
  L1_Top Layer w6: U1.C10@1464.91,627.76 ccw(c1488.85,627.76) 1471.92,610.83 1473.59,609.16 cw(c1454.99,590.55) 1481.3,590.55 1481.3,505.45